# KiCad board for_real_486_2.kicad_pcb (continued)
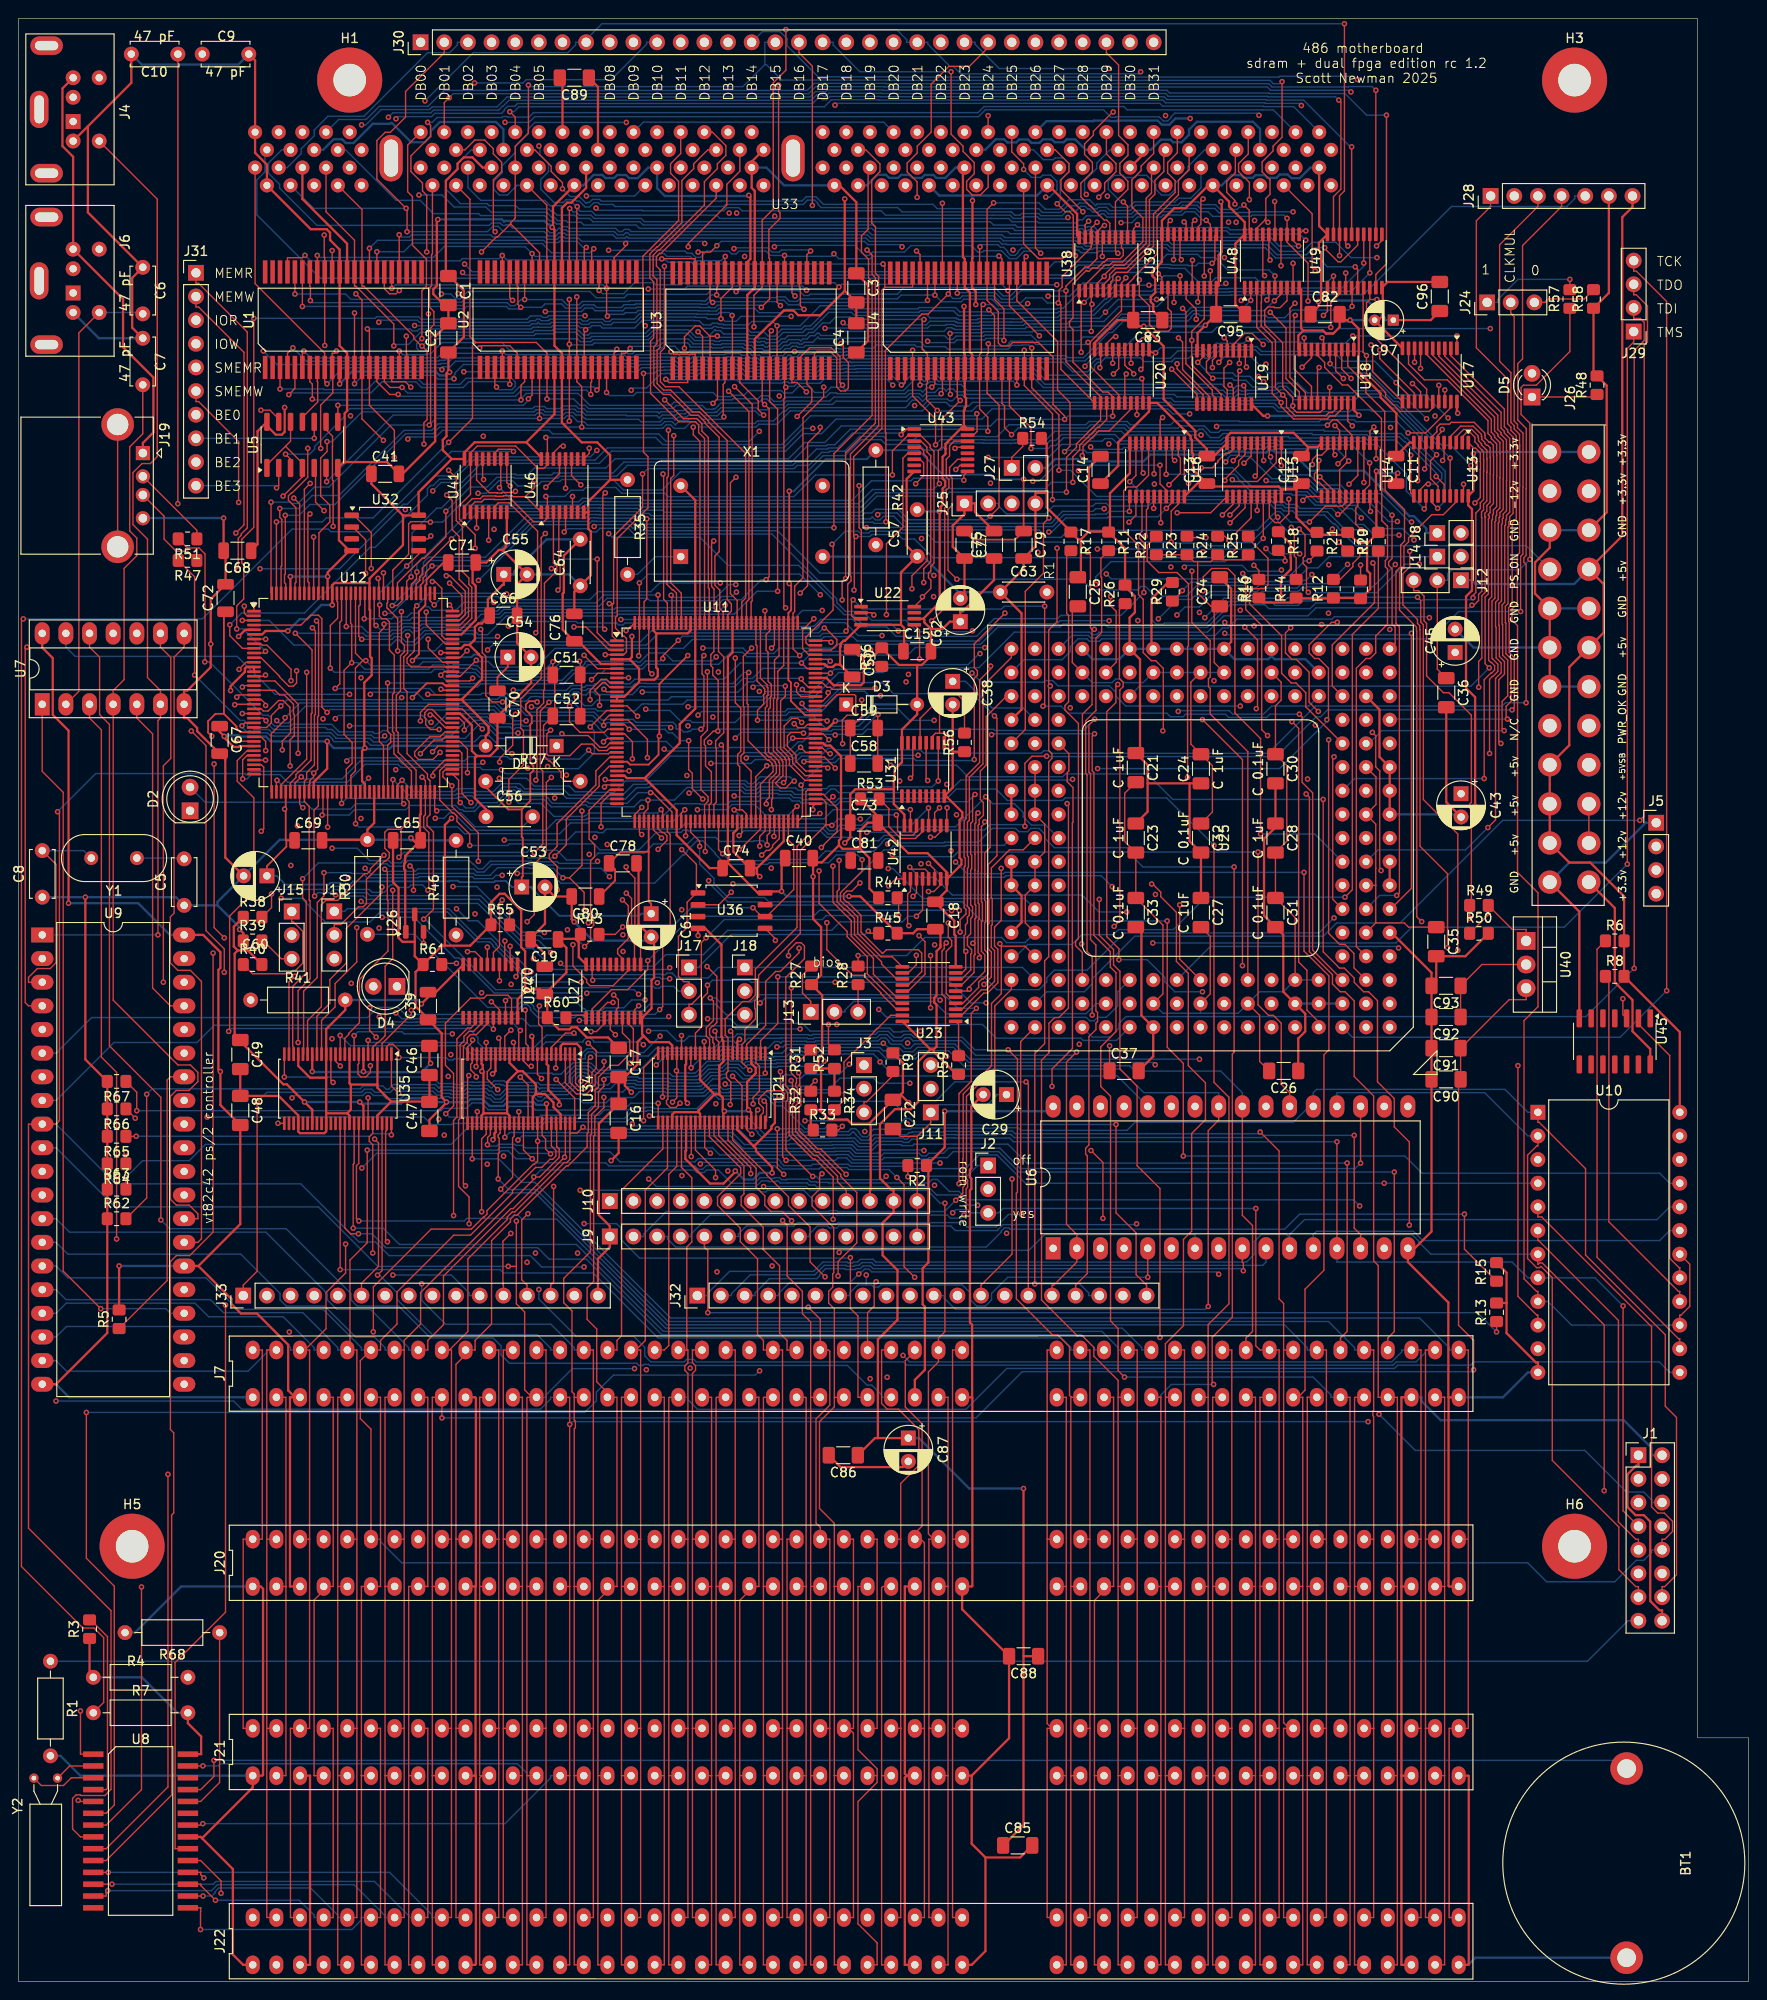
[diagram p0: board, top side]
## Nets (continued)
DB26: J30.27 U4.13 U12.117 U20.16 U33.71 U38.7
DB27: J30.28 U4.14 U12.116 U20.15 U33.72 U38.8
DB28: J30.29 U4.31 U12.115 U20.14 U33.74 U38.13
DB29: J30.30 U4.32 U12.114 U20.13 U33.75 U38.14
DB30: J30.31 U4.35 U12.113 U20.12 U33.76 U38.17
DB31: J30.32 U4.36 U12.112 U20.11 U33.77 U38.18
DB32: U33.86 U49.2
DB33: U33.87 U49.5
DB34: U33.88 U49.6
DB35: U33.89 U49.9
DB36: U33.91 U49.12
DB37: U33.92 U49.15
DB38: U33.93 U49.16
DB39: U33.94 U49.19
DB40: U33.95 U48.2
DB41: U33.97 U48.5
DB42: U33.98 U48.6
DB43: U33.99 U48.9
DB44: U33.100 U48.12
DB45: U33.101 U48.15
DB46: U33.103 U48.16
DB47: U33.104 U48.19
DB48: U33.139 U39.2
DB49: U33.140 U39.5
DB50: U33.141 U39.6
DB51: U33.142 U39.9
DB52: U33.144 U39.12
DB53: U33.149 U39.15
DB54: U33.150 U39.16
DB55: U33.151 U39.19
DB56: U33.153 U38.2
DB57: U33.154 U38.5
DB58: U33.155 U38.6
DB59: U33.156 U38.9
DB60: U33.158 U38.12
DB61: U33.159 U38.15
DB62: U33.160 U38.16
DB63: U33.161 U38.19
DQMB0: U12.82 U33.28
DQMB1: U12.83 U33.29
DQMB2: U12.84 U33.46
DQMB3: U12.85 U33.47
DQMB_HIGH: U12.87 U33.112 U33.113 U33.130 U33.131
dram0_en: U11.38 U12.95 U33.128
dram_A00: U11.119 U33.33
dram_A01: U11.120 U33.117
dram_A02: U11.121 U33.34
dram_A03: U11.122 U33.118
dram_A04: U11.124 U33.35
dram_A05: U11.125 U33.119
dram_A06: U11.128 U33.36
dram_A07: U11.129 U33.120
dram_A08: U11.130 U33.37
dram_A09: U11.134 U33.121
dram_A10: U11.135 U33.38
dram_A11: U11.136 U33.123
dram_A12: U11.137 U33.126
dram_A13: U11.138
DRQ0: J7.71 J20.71 J21.71 J22.71
DRQ1: J7.18 J20.18 J21.18 J22.18 U46.12
DRQ2: J7.6 J20.6 J21.6 J22.6 U46.13
DRQ3: J7.16 J20.16 J21.16 J22.16 U46.14
DRQ5: J7.73 J20.73 J21.73 J22.73 U46.4
DRQ6: J7.75 J20.75 J21.75 J22.75 U46.5
DRQ7: J7.77 J20.77 J21.77 J22.77 U46.6
EADS: R20.2 U25.B17
FLUSH: J10.5 U25.C15
FPGA_ADS: U7.13 U11.114 U12.74 U23.11
FPGA_BE0: U11.115 U23.18
FPGA_BE1: U11.116 U23.17
FPGA_BE2: U11.117 U23.16
FPGA_BE3: U11.118 U23.15
FPGA_CH_RDY: U12.8 U27.13
FPGA_CLOCK: U11.93 U12.130 U22.5
FPGA_D/C: U11.112 U12.63 U23.13
FPGA_IOCS16: U12.1 U27.11
FPGA_IOR: J31.3 U11.25 U24.4
FPGA_IOW: J31.4 U11.26 U24.5
FPGA_M/IO: U11.113 U12.64 U23.12
FPGA_MEMCS16: U12.2 U27.12
FPGA_MEMR: J31.1 U11.31 U24.2
FPGA_MEMW: J31.2 U11.32 U24.3
FPGA_NOWS: U12.7 U27.14
FPGA_RESET: J16.3 J18.3 R30.1 U26.2
FPGA_RESET_BUTTON: J25.3 R55.2 U11.52
FPGA_SMEMR: J31.5 U11.28 U24.6
FPGA_SMEMW: J31.6 U11.29 U24.7
FPGA_W/R: U11.110 U12.62 U23.14 U33.27
HITM: J10.1 U25.A12
HLDA: J10.11 U25.P15 U27.5
HOLD: R18.2 U25.E15
INC: J9.7 U25.A13
INT: J9.6 U12.81 U25.A16
INT_1: U9.35
INT_12: U9.36
INTA: U11.34 U12.80
INV: J9.8 U25.A10
IOCS16: J7.64 J20.64 J21.64 J22.64 U27.9
IOR: J7.14 J20.14 J21.14 J22.14 U8.22 U9.8 U10.22 U24.16
IOW: J7.13 J20.13 J21.13 J22.13 U8.27 U9.10 U10.23 U24.15
IRQ0: U10.10 U43.11
IRQ1: U43.12
IRQ1_EN: U10.11
IRQ2: J7.4 J20.4 J21.4 J22.4
IRQ3: J7.25 J20.25 J21.25 J22.25 U43.14
IRQ4: J7.24 J20.24 J21.24 J22.24 U43.3
IRQ5: J7.23 J20.23 J21.23 J22.23 U43.4
IRQ6: J7.22 J20.22 J21.22 J22.22 U43.5
IRQ7: J7.21 J20.21 J21.21 J22.21 U43.6
IRQ8: R7.1 U8.5 U41.11
IRQ9: U41.12
IRQ10: J7.65 J20.65 J21.65 J22.65 U41.13
IRQ11: J7.66 J20.66 J21.66 J22.66 U41.14
IRQ12: J7.67 J20.67 J21.67 J22.67 U41.3
IRQ13: U41.4
IRQ14: J7.69 J20.69 J21.69 J22.69 U41.5
IRQ15: J7.68 J20.68 J21.68 J22.68 U41.6
ISA_00: J1.7 J7.40 J20.40 J21.40 J22.40 U6.13 U8.11 U9.12 U10.8 U34.47
ISA_01: J1.8 J7.39 J20.39 J21.39 J22.39 U6.14 U8.12 U9.13 U10.7 U34.46
ISA_02: J1.9 J7.38 J20.38 J21.38 J22.38 U6.15 U8.13 U9.14 U10.6 U34.44
ISA_03: J1.10 J7.37 J20.37 J21.37 J22.37 U6.17 U8.15 U9.15 U10.5 U34.43
ISA_04: J1.11 J7.36 J20.36 J21.36 J22.36 U6.18 U8.16 U9.16 U10.4 U34.41
ISA_05: J1.12 J7.35 J20.35 J21.35 J22.35 U6.19 U8.17 U9.17 U10.3 U34.40
ISA_06: J1.13 J7.34 J20.34 J21.34 J22.34 U6.20 U8.18 U9.18 U10.2 U34.38
ISA_07: J1.14 J7.33 J20.33 J21.33 J22.33 U6.21 U8.19 U9.19 U10.1 U34.37
ISA_08: J7.91 J20.91 J21.91 J22.91 U34.36
ISA_09: J7.92 J20.92 J21.92 J22.92 U34.35
ISA_10: J7.93 J20.93 J21.93 J22.93 U34.33
ISA_11: J7.94 J20.94 J21.94 J22.94 U34.32
ISA_12: J7.95 J20.95 J21.95 J22.95 U34.30
ISA_13: J7.96 J20.96 J21.96 J22.96 U34.29
ISA_14: J7.97 J20.97 J21.97 J22.97 U34.27
ISA_15: J7.98 J20.98 J21.98 J22.98 U34.26
ISA_A00: J7.62 J20.62 J21.62 J22.62 U21.47
ISA_A01: J7.61 J20.61 J21.61 J22.61 U21.46
ISA_A02: J7.60 J20.60 J21.60 J22.60 U21.44
ISA_A03: J7.59 J20.59 J21.59 J22.59 U21.43
ISA_A04: J7.58 J20.58 J21.58 J22.58 U21.41
ISA_A05: J7.57 J20.57 J21.57 J22.57 U21.40
ISA_A06: J7.56 J20.56 J21.56 J22.56 U21.38
ISA_A07: J7.55 J20.55 J21.55 J22.55 U21.37
ISA_A08: J7.54 J20.54 J21.54 J22.54 U21.36
ISA_A09: J7.53 J20.53 J21.53 J22.53 U21.35
ISA_A10: J7.52 J20.52 J21.52 J22.52 U21.33
ISA_A11: J7.51 J20.51 J21.51 J22.51 U21.32
ISA_A12: J7.50 J20.50 J21.50 J22.50 U21.30
ISA_A13: J7.49 J20.49 J21.49 J22.49 U21.29
ISA_A14: J7.48 J20.48 J21.48 J22.48 U21.27
ISA_A15: J7.47 J20.47 J21.47 J22.47 U21.26
ISA_A16: J7.46 J20.46 J21.46 J22.46 U35.47
ISA_A17: J7.45 J20.45 J21.45 J22.45 U35.46
ISA_A18: J7.44 J20.44 J21.44 J22.44 U35.44
ISA_A19: J7.43 J20.43 J21.43 J22.43 U35.43
ISA_A20: J7.85 J20.85 J21.85 J22.85 U35.41
ISA_A21: J7.84 J20.84 J21.84 J22.84 U35.40
ISA_A22: J7.83 J20.83 J21.83 J22.83 U35.38
ISA_A23: J7.82 J20.82 J21.82 J22.82 U35.37
ISA_CLK: J7.20 J20.20 J21.20 J22.20 U11.141
ISA_dir: U12.12 U34.1 U34.24
ISA_High_en: U12.16 U34.25
ISA_Low_en: U12.15 U34.48
ISA_WAIT: U11.43 U12.48
isabus_en: J33.14 U11.33 U12.47
KBD_A20: J3.2 U9.22
kbd_clk: C9.2 J4.5 U7.6 U9.1
kbd_data: C10.2 J4.1 U7.8 U9.27
kbd_en: U9.6 U11.44
KEN: J10.6 U25.F15
lcd_en: J1.6 U11.7
LOCK: J10.10 U25.N15 U27.4
M/IO: J33.3 U23.8 U25.N16
MASTER16: J7.79 J20.79 J21.79 J22.79 U46.11
MCLK0: J28.1 U11.60
MCLK1: J28.2
MCLK2: J28.3 U10.9 U10.15 U10.18
MEMCS16: J7.63 J20.63 J21.63 J22.63 U27.8
MEMR: J7.89 J20.89 J21.89 J22.89 U1.37 U2.37 U3.37 U4.37 U6.24 U24.18
MEMW: J2.3 J7.90 J20.90 J21.90 J22.90 U1.15 U2.15 U3.15 U4.15 U24.17
ms_clk: C6.2 J6.5 U7.2 U9.39
ms_data: C7.2 J6.1 U7.4 U9.28
NOWS: J7.8 J20.8 J21.8 J22.8 U27.6
P14: U9.31
P15: U9.32
P16: U9.33
P21: U9.21
PCD: J10.3 U25.J17
PCHK: J10.4 U25.Q17
PIC0_en: U11.45 U12.52
PIC1_en: U11.47 U12.55
PIT_en: U10.21 U11.49
PLOCK: U25.Q16
PWT: J10.9 U25.L15
RDY: J33.13 U11.22 U25.F16
REFRESH: J7.19 J20.19 J21.19 J22.19 U10.13 U11.64 U12.129
RESET: U7.11 U9.4 U11.39 U12.73 U31.10 U42.10
rom_en: J33.15 U6.22 U11.55
rtc_en: U8.20 U11.48
S1: U12.10 U33.30
S2: U12.9 U33.45
SA0: U12.91 U33.165
SA1: U12.90 U33.166
SA2: U12.88 U33.167
SBHE: J7.81 J20.81 J21.81 J22.81
SCL: J28.4 U11.63
SDA: J28.5 U11.62
SDRAM_HIGH_BUS: U11.56 U12.11
SDRAM_HWORD: U12.37 U38.1 U39.1 U48.1 U49.1
SDRAM_LATCH: U12.38 U38.11 U39.11 U48.11 U49.11
SDRAM_SCL: U12.97 U33.83
SDRAM_SDA: U12.96 U33.82
SHIFT_CLK_EN: U12.79 U41.15 U43.15 U46.15
SHIFT_EN: U41.1 U43.1 U46.1
SMEMR: J7.12 J20.12 J21.12 J22.12 U24.14
SMEMW: J7.11 J20.11 J21.11 J22.11 U24.13
SMI: U25.B10
SMIACT: J10.2 U25.C12
speaker_en: U45.1
SPI_SS: J15.2 J17.2 U11.71 U12.71 U32.1 U36.1
sram_en: J33.9 U5.1 U5.4 U5.9 U5.12 U11.8
STPCLK: J9.10 R21.2 U25.G15
TC: J7.27 J20.27 J21.27 J22.27 U46.3
TE0: J33.5 U11.1 U17.19
TE1: J33.6 U11.2 U18.19
TE2: J33.7 U11.3 U19.19
TE3: J33.8 U11.4 U20.19
UNUSED0: U11.139 U12.61
UNUSED1: U12.60
UNUSED2: U12.56
UP: J9.9 U25.C11
USBD+: R47.2 U11.23
USBD-: R51.2 U11.24
W/R: J33.1 U17.1 U18.1 U19.1 U20.1 U23.6 U25.N17
WTWB: J13.2 U25.B13
x00: U11.18 U12.34 U34.2
x01: U11.17 U12.33 U34.3
x02: U11.16 U12.32 U34.5
x03: U11.15 U12.31 U34.6
x04: U11.12 U12.29 U34.8
x05: U11.11 U12.28 U34.9
x06: U11.10 U12.26 U34.11
x07: U11.9 U12.25 U34.12
x08: U12.24 U34.13
x09: U12.23 U34.14
x10: U12.22 U34.16
x11: U12.21 U34.17
x12: U12.20 U34.19
x13: U12.19 U34.20
x14: U12.18 U34.22
x15: U12.17 U34.23
~{CAS}: U12.42 U33.115
~{RAS}: U12.43 U33.111
~{RESET}: J16.1 J18.1 U7.10 U25.C16
Net-(BT1-+): BT1.1 U8.25
Net-(D1-K): D1.1 U12.108
Net-(D2-K): D2.1 R41.1
Net-(D3-K): D3.1 U11.108
Net-(D4-K): D4.1 R46.1
Net-(D5-A): D5.2 J26.8
Net-(D5-K): D5.1 R48.1
Net-(J1-Pin_15): J1.15 R1.1
Net-(J2-Pin_1): J2.1 R2.2
Net-(J2-Pin_2): J2.2 U6.31
Net-(J3-Pin_3): J3.3 R9.2
Net-(J5-Pin_4): J5.4 U45.3
Net-(J8-Pin_2): J8.2 U25.J1
Net-(J9-Pin_3): J9.3 R15.1
Net-(J9-Pin_5): J9.5 R13.1
Net-(J11-Pin_2): J11.2 U25.S4
Net-(J13-Pin_1): J13.1 R27.2
Net-(J13-Pin_3): J13.3 R28.1
Net-(J14-Pin_1): J14.1 R29.1
Net-(J14-Pin_2): J14.2 U25.C10
Net-(J15-Pin_1): J15.1 R40.1
Net-(J15-Pin_3): J15.3 R39.2
Net-(J17-Pin_1): J17.1 R45.1
Net-(J17-Pin_3): J17.3 R44.2
Net-(J19-D+): J19.3 R47.1
Net-(J19-D-): J19.2 R51.1
Net-(J20-IO): J7.32 J20.32 J21.32 J22.32
Net-(J20-LA17): J7.88 J20.88 J21.88 J22.88
Net-(J20-LA18): J7.87 J20.87 J21.87 J22.87
Net-(J20-LA19): J7.86 J20.86 J21.86 J22.86
Net-(J20-OSC): J7.30 J20.30 J21.30 J22.30
Net-(J20-RESET): J7.2 J20.2 J21.2 J22.2
Net-(J24-Pin_1): J24.1 R57.2
Net-(J24-Pin_2): J24.2 U25.R17
Net-(J24-Pin_3): J24.3 R58.2
Net-(J25-Pin_2): J25.2 J26.16
Net-(J27-Pin_1): J27.1 R54.1
Net-(J29-Pin_1): J29.1 U25.B14
Net-(J29-Pin_2): J29.2 U25.A14
Net-(J29-Pin_3): J29.3 U25.B16
Net-(J29-Pin_4): J29.4 U25.A3
Net-(U1-~{CE}): U1.8 U5.11
Net-(U2-~{CE}): U2.8 U5.8
Net-(U3-~{CE}): U3.8 U5.6
Net-(U4-~{CE}): U4.8 U5.3
Net-(U8-Vout): R4.2 U8.1
Net-(U8-X1): U8.2 Y2.2
Net-(U8-X2): U8.3 Y2.1
Net-(U8-~{KS}): R68.1 U8.24
Net-(U8-~{RST}): R3.2 U8.4
Net-(U9-KBCO): U7.5 U9.37
Net-(U9-KBDO): U7.9 U9.38
Net-(U9-P22/MSDO): U7.3 U9.23
Net-(U9-P23/MSCO): U7.1 U9.24
Net-(U9-xtal_1): C5.2 U9.2 Y1.1
Net-(U9-xtal_2): C8.2 U9.3 Y1.2
Net-(U9-~{KBD-INH}): R5.1 U9.34
Net-(U10-G1): R6.1 U10.14
Net-(U10-G2): R8.1 U10.16
Net-(U10-OUT2): U10.17 U45.2
Net-(U11E-GNDPLL0): C58.2 C59.2 U11.53 U11.127
Net-(U11E-IOB_105_SDO): U11.67 U36.5
Net-(U11E-IOB_106_SDI): U11.68 U36.2
Net-(U11E-IOB_107_SCK): R43.2 U11.70 U36.6
Net-(U11E-VCC_SPI): C63.2 U11.72
Net-(U11E-VCCPLL0): C58.1 C59.1 R42.2 U11.54 U11.126
Net-(U12E-GNDPLL0): C51.2 C52.2 U12.53 U12.127
Net-(U12E-IOB_105_SDO): U12.67 U32.5
Net-(U12E-IOB_106_SDI): U12.68 U32.2
Net-(U12E-IOB_107_SCK): R38.2 U12.70 U32.6
Net-(U12E-VCC_SPI): C56.2 U12.72
Net-(U12E-VCCPLL0): C51.1 C52.1 R37.2 U12.54 U12.126
Net-(U13-A->B): R10.2 U13.1
Net-(U14-A->B): R12.2 U14.1
Net-(U15-A->B): R14.2 U15.1
Net-(U16-A->B): R16.2 U16.1
Net-(U21-1DIR): R62.2 U21.1
Net-(U21-1~{OE}): R66.1 U21.48
Net-(U21-2DIR): R63.2 U21.24
Net-(U21-2~{OE}): R67.1 U21.25
Net-(U22-1G): R36.1 U22.2
Net-(U22-CLKIN): U22.1 X1.8
Net-(U23-A->B): R59.2 U23.1
Net-(U23-CE): R34.2 U23.19
Net-(U24-A->B): R61.2 U24.1
Net-(U24-CE): R33.2 U24.19
Net-(U25-DP0): R25.2 U25.N3
Net-(U25-DP1): R24.2 U25.F1
Net-(U25-DP2): R23.2 U25.H3
Net-(U25-DP3): R22.2 U25.A5
Net-(U25-FERR): R17.2 U25.C14
Net-(U25-IGNNE): R11.2 U25.A15
Net-(U25-NMI): R26.1 U25.B15
Net-(U27-A->B): R60.2 U27.1
Net-(U27-CE): R52.2 U27.19
Net-(U31-SER): U31.14 U42.9
Net-(U31-~{OE}): R56.2 U31.13
Net-(U35-1DIR): R32.2 U35.1
Net-(U35-1~{OE}): R65.1 U35.48
Net-(U35-2DIR): R31.2 U35.24
Net-(U35-2~{OE}): R64.1 U35.25
Net-(U40-ADJ): R49.2 R50.1 U40.1
Net-(U41-DS): U41.10 U43.9
Net-(U42-~{OE}): R53.2 U42.13
Net-(U43-DS): U43.10 U46.9
Net-(X1-Tri-State): R35.2 X1.1

Pads without a net: C81 1 2; H1 1; H3 1; H5 1; H6 1; J4 2 6 7; J5 2 3; J6 2 6 7; J7 5 7; J9 11 12 13; J11 3; J19 5; J20 5 7; J21 5 7; J22 5 7; J26 9 20; U1 1 2 21 22 23 24 25 42 43 44; U2 1 2 21 22 23 24 25 42 43 44; U3 1 2 21 22 23 24 25 42 43 44; U4 1 2 21 22 23 24 25 42 43 44; U6 1 30; U8 23 26; U9 5 7 11 25 29 30; U11 35 36 50 51 58 77 109 133; U12 35 36 50 51 58 77 109 133; U22 7; U24 8 9 11 12; U25 C13; U27 15 16 17 18; U31 1 2 3 4 5 6 7 9 15; U32 3 7; U33 21 22 24 25 31 44 48 50 51 52 53 61 62 63 80 81 105 106 108 109 114 125 129 132 134 135 136 137 145 146 147 163 164; U35 26 27 29 30 32 33 35 36; U36 3 7; U41 7; U43 7; U45 4 5 6 8 9 10 11 12 13; U46 7 10

## Via types
v1: diameter 0.6, hole 0.3, Top to Bottom, 1564 vias

## Routing (per net, layer and track width the routed paths; a pad name or vN(x,y) marks a point on that pad's centre or on a via; arc(x,y) is an arc through that point)
+1V2: length 287.6
  Top w0.2: v1(42.3,141.87) 43,142.57 43,147.14 43.69,147.83 U12.111 43.69,149.94 43.82,150.07 43.82,150.58 45.64,152.4 C71.1 ; C80.1 64.06,118.23 64.06,119.44 C78.1 64.67,121.33 67.68,121.33 ; R37.1 50.16,128.31 52.6,125.87 54.04,125.87 ; v1(55.69,137.43) 55.62,137.5 54.83,137.5 54.48,137.15 54.48,136.55 55.12,135.91 55.12,135.15 54.96,134.99 54.96,130.89 55.29,130.56 55.29,130.06 54.96,129.72 54.96,126.79 54.04,125.87 ; v1(107.95,161.34) C79.1 107.03,154.86 102.52,154.86 C77.1 ; 28.76,122.55 28.69,122.62 28.69,125.91 ; 28.76,122.55 C69.1 ; 28.76,122.55 28.76,121.89 26.67,119.8 C60.1 ; 22.05,136.15 22.05,146.94 C72.1 ; 22.05,136.15 21.14,136.15 20.35,135.35 20.35,134.14 v1(20.75,133.74) ; 22.05,136.15 23.39,134.81 23.39,134.61 23.83,134.18 U12.27 ; C53.1 54.04,118.6 54.15,118.71 54.15,122.81 54.04,122.92 54.04,125.87 ; 67.68,121.33 U11.40 ; 67.68,121.33 67.68,116 67.94,115.74 C61.1 ; 28.69,125.91 v1(28.57,125.91) ; 28.69,125.91 U12.40 ; C70.1 51.44,140.08 52.54,141.19 C54.1 ; v1(71.88,142.41) 68.83,139.36 v1(68.83,133.75) 68.74,133.67 68.74,131.76 67.67,130.7 65.69,130.7 65.38,131 U11.27 ; U12.92 45.82,139.18 45.58,139.42 43.83,139.42 v1(42.3,137.89) ; v1(82.77,160.06) v1(82.77,150.14) 82.98,149.93 82.98,147.29 82.68,146.99 U11.111 82.68,139.78 82.96,139.51 82.96,137.53 84.48,136 U11.92
  In1.Cu w0.2: 55.79,137.52 v1(55.69,137.43) ; 55.79,137.52 52.54,140.76 C54.1 ; 55.79,137.52 59.55,133.75 v1(68.83,133.75) ; v1(82.77,150.14) 82.77,148.97 80.41,146.61 75.96,146.61 71.88,142.53 v1(71.88,142.41) ; v1(20.75,133.74) v1(28.57,125.91)
  In2.Cu w0.2: v1(42.3,141.87) v1(42.3,137.89)
  Bottom w0.2: v1(82.77,160.06) 83.26,160.06 86.7,163.5 91.11,163.5 R42.1 96.66,164.46 99.34,161.79 101.22,161.79 101.28,161.84 104.33,161.84 104.83,161.34 v1(107.95,161.34) ; v1(42.3,141.87) 42.55,142.12 46.15,142.12 46.27,142.24 48.64,142.24 48.91,142.51 49.4,142.51 49.67,142.24 C54.1 ; C60.1 27.72,118.74 28.66,117.81 33.31,117.81 33.5,118 34.58,118 34.77,117.81 35.59,117.81 35.93,118.15 46.24,118.15 46.31,118.22 47.19,118.22 47.34,118.07 51.09,118.07 51.2,118.19 52.34,118.19 52.99,117.54 C53.1 55.09,117.54 55.09,117.43 58.06,114.46 66.66,114.46 66.89,114.68 C61.1
+3.3V: length 1399.8
  Top w0.25: 67.26,129.24 65.34,129.24 65.07,129.5 U11.30 ; 67.26,129.24 71.01,133 71.01,135.04 72.68,136.71 U11.131 72.68,159.09 X1.14 ; 67.26,129.24 70.68,125.82 U11.46 70.68,123.12 74.22,119.58 C74.1 76.18,120.14 76.18,120.31 ; U27.20 60.17,110.02 60.17,111.61 59.83,111.95 ; R59.1 100.73,97.42 98.28,99.87 98.28,100.11 ; 96.52,141.39 97.01,141.39 98,142.38 C15.2 98,145.26 ; 96.52,141.39 94.55,141.39 R36.2 91.88,142.41 90.78,142.41 ; 96.52,141.39 D3.2 96.52,136.08 94.88,134.45 U31.16 94.88,130.95 94.1,130.16 94.1,129.28 94.01,129.19 94.01,128.05 ; U21.42 77.2,91.45 78.97,89.68 ; C75.1 104.77,150.52 101.44,147.18 101.15,147.18 C62.1 100.03,146.05 99.24,145.26 98,145.26 ; v1(143.97,168.21) 143.42,168.77 U18.20 ; U33.59 110.63,192.91 113.69,189.85 113.69,187.55 U38.20 ; U11.123 76.68,142.73 76.18,142.23 U11.57 76.18,121.45 76.25,121.38 76.25,120.39 76.18,120.31 ; v1(28.92,145.05) 26.52,145.05 26.15,144.68 U12.6 ; 42.55,111.66 U26.3 ; 42.55,111.66 42.55,110.12 R61.1 ; 42.55,111.66 41.23,111.66 40.81,112.08 40.81,117.46 40.22,118.05 40.22,122.54 C65.1 ; R16.1 133.71,148.1 136.73,148.1 R14.1 137.28,148.54 141.17,148.54 R12.1 144.07,148.59 R10.1 145.17,149.55 145.17,151.22 144.84,151.55 144.84,154.5 ; U11.100 86.76,140 87.54,139.22 90.49,139.22 90.78,139.51 90.78,142.41 ; v1(88.74,122.28) 89.33,122.87 C73.1 89.33,127.51 89.87,128.05 94.01,128.05 ; U2.11 57.55,168.34 54.53,165.31 ; C97.1 151.68,178.44 C96.1 ; 144.84,154.5 143.9,154.5 R20.1 142.49,155.37 139.74,155.37 R21.1 138.88,155.64 137.26,157.26 137.26,160.27 ; 144.84,154.5 144.91,154.5 R19.2 145.84,155.85 145.84,159.45 U14.20 145.8,162.16 v1(145.85,162.21) ; U3.11 78.27,181.14 79.07,181.94 U3.33 79.07,192.31 78.74,192.64 U33.40 78.74,195.45 U33.124 ; 97.94,100.11 U23.20 ; 97.94,100.11 96.62,98.79 96.62,94.47 95.84,93.69 94.13,93.69 92.52,92.07 92.52,86.26 93.78,85 93.98,85 J10.13 93.98,82.64 92.8,81.47 92.8,77.99 94.4,76.4 94.4,71.05 92.3,68.95 92.3,58.36 ; 97.94,100.11 98.28,100.11 ; 37.69,150.2 37.69,147.35 37.75,147.29 37.75,142.3 37.92,142.12 37.92,140.29 37.12,139.49 37.12,132.54 v1(37.19,132.48) 36.89,132.18 36.89,128.91 37.19,128.62 U12.57 ; 37.69,150.2 33.92,150.2 33.69,149.97 U12.131 v1(33.69,147.84) ; 37.69,150.2 37.69,150.68 41.28,154.27 41.28,157.46 ; U12.30 23.73,132.68 23.63,132.59 23.09,132.59 22.09,133.58 v1(22.09,133.73) 21.59,134.23 C67.1 ; v1(50.95,90.41) 51.1,90.56 51.1,91.07 51.24,91.21 51.24,92.15 U34.31 ; 135.64,160.27 U15.20 ; 135.64,160.27 135.35,160.57 127.95,160.57 C13.1 127.12,161.4 ; 135.64,160.27 137.26,160.27 ; C14.1 118.12,162.79 118.12,165.31 121.42,168.62 U20.20 122.3,169.54 125.89,165.96 125.89,165.7 125.93,165.65 125.93,165.65 126.03,165.56 126.03,164.21 126.15,164.08 126.15,162.37 127.12,161.4 ; C83.1 121.88,179.41 121.88,180.12 121.61,180.39 121.61,180.91 122.09,181.4 122.09,182.87 121.79,183.16 121.79,183.68 122.8,184.69 U39.20 122.8,189.13 124.13,190.45 125.33,190.45 127.79,192.91 U33.73 130.02,191.16 130.02,190.64 131.69,188.97 U48.20 130.7,186.65 130.7,180.11 C95.1 ; R38.1 23.11,113.28 23.11,111.16 23.54,110.73 ; U24.20 53.6,105.49 54.66,106.55 ; v1(81.68,95.09) 81.23,94.64 81.23,92.21 80.86,91.84 80.86,91.58 78.97,89.68 ; D1.2 50.16,133.79 50.48,134.11 50.48,134.78 47.58,137.68 ; C85.1 107.94,16.79 107.94,34.92 ; 48.42,143.55 49.4,142.58 49.4,142.55 49.41,142.53 49.78,142.17 49.78,139.88 47.58,137.68 ; 48.42,143.55 47.9,143.55 47.53,143.18 U12.100 ; 48.42,143.55 49.01,144.14 49.01,145.48 49.37,145.85 49.76,145.85 C66.1 50.4,146.88 50.4,148.43 51.98,150 52.11,150 C55.1 ; C50.1 90.2,142.41 90.78,142.41 ; v1(148.13,162) 147.95,161.82 C11.2 ; v1(156.45,126.22) 156.45,137.94 155.47,138.92 155.47,148.76 156.11,149.39 156.11,158.14 155.71,158.53 155.71,159.56 156.26,160.1 156.26,162.2 156.62,162.56 156.62,163.08 156.26,163.44 v1(156.26,164.1) ; 94.01,128.05 94.01,126.46 95.14,125.32 U42.16 ; 97.17,146.36 98.93,148.12 98.93,157.87 v1(98.9,157.9) 98.9,157.92 99.06,158.07 99.06,158.41 99.24,158.59 99.24,160.33 99.53,160.61 99.53,161.13 99.24,161.42 99.24,163.75 99.56,164.06 99.56,164.62 99.56,164.62 99.56,165.15 101.54,167.12 ; 97.17,146.36 97.28,146.25 97.28,145.97 98,145.26 ; 97.17,146.36 U22.6 ; 78.97,89.68 79.21,89.45 79.21,89.17 80.94,87.44 v1(80.94,86.84) ; U35.42 37.04,94.05 v1(36.64,94.45) ; C4.1 91.24,176.23 91.24,182.2 C3.1 89.98,191.1 88.17,192.91 U33.41 ; U34.42 56.72,94.24 v1(56.7,94.26) ; v1(76.98,87.05) 76.98,86.96 75.72,85.7 74.26,85.7 71.62,88.34 71.62,89.18 71.7,89.26 U21.31 ; 41.28,157.46 42.95,157.46 U32.8 42.97,159.97 46.52,163.52 ; 41.28,157.46 37.89,160.84 37.89,161.92 ; 23.54,110.73 24.62,110.73 R40.2 ; 23.54,110.73 23.2,110.39 23.2,101.72 C49.1 23.81,100.98 28.44,96.35 28.81,96.35 v1(30.71,94.45) 31.54,93.62 U35.31 ; R61.1 45.48,111.25 45.78,111.25 ; R61.1 42.64,108.41 42.64,104.74 43.97,103.4 C39.1 45.44,101.83 45.44,94.96 v1(45.95,94.45) 45.95,94.38 44.13,92.55 C47.1 ; C20.1 56.01,106.55 54.66,106.55 ; C20.1 56.78,105.77 R60.1 58.03,102.26 59.17,102.26 59.39,102.48 59.95,102.48 61.03,101.39 63.32,101.39 C17.1 ; C20.1 58.84,108.37 58.84,111.02 C19.1 58.01,111.98 59.8,111.98 59.83,111.95 ; v1(102.81,180.11) 102.81,181.53 102.42,181.91 U4.33 102.42,185.06 102.46,185.09 v1(102.46,191.27) ; 59.83,111.95 R43.1 ; U19.20 133.69,168.15 v1(134.15,168.15) ; C68.1 25.66,154.36 25.66,166.5 U5.14 26.67,167.08 27.61,166.14 28.28,166.14 28.57,166.43 v1(28.57,169.06) ; 54.53,165.31 48.98,165.31 47.89,164.23 U41.16 46.52,163.52 ; 54.53,165.31 56.14,163.7 U46.16 ; v1(46.29,172.85) 46.21,172.93 46.16,172.93 ; C86.1 91.98,58.36 92.3,58.36 ; v1(46.5,124.93) 45.78,124.21 45.78,111.25 ; v1(154.58,168.43) 154.5,168.51 154.5,169.68 ; 46.16,172.93 C2.1 47.82,176.62 47.82,181.61 46.26,183.17 C1.1 45.89,183.45 45.89,193.4 47.15,194.66 47.15,195.25 47.82,195.92 48.75,195.92 49.85,194.82 U33.18 ; 46.16,172.93 45.96,172.73 45.96,165.97 45.56,165.57 45.56,164.47 46.52,163.52 ; 45.78,111.25 48.5,111.25 R55.1 50.73,115.89 51.66,116.82 52.2,116.82 53.99,115.03 53.99,111.07 54.41,110.65 54.41,106.81 54.66,106.55 ; 76.18,120.31 76.18,120.14 79.41,116.91 U36.8 80.35,117.07 v1(81.96,117.07) 81.96,120.26 C40.1 ; v1(101.55,179.9) 101.55,174.87 101.62,174.8 U4.11 101.62,170.21 101.77,170.07 101.77,169.18 101.62,169.03 101.62,168.82 101.54,168.73 101.54,167.12 ; 98.28,100.11 98.6,100.42 98.6,104.89 98.36,105.14 98.36,105.65 98.6,105.9 98.6,110.66 99.02,111.08 99.02,111.29 99.02,111.29 99.02,112.46 C18.2 96.51,113.01 96.08,112.58 R45.2 90.41,116.54 v1(89.2,116.54) ; U12.46 31.69,127.77 31.69,128.81 33.14,130.26 v1(33.14,133.19) ; 58.36,183.62 58.36,190.48 58.93,191.06 59.38,191.06 60.96,192.64 U33.26 ; 47.58,137.68 U12.89 ; 125.21,159.49 127.12,161.4 ; 107.94,34.92 C88.1 ; 107.94,34.92 v1(107.94,52.94) ; U33.84 139.7,188.53 U49.20 139.66,186.73 139.66,185.96 139.9,185.72 139.9,180.71 v1(139.62,180.43) 139.62,179.92 C82.1 ; v1(87.73,135.39) 86.85,134.5 U11.89 ; 137.26,160.27 137.26,160.34 C12.1 ; 101.54,167.12 U43.16 ; 92.3,58.36 C87.1 ; J26.12 171.45,115.29 171.45,107.31 173.36,105.41 173.36,102.05 175.26,100.15 U45.14 ; C64.2 58.56,153.14 58.56,149.18 58.44,149.05 58.44,145.19 C76.1 60.12,143.94 62.55,141.5 U11.6 ; U33.110 62.23,203.49 C89.1 ; U1.11 v1(34.48,171.58) ; 35.28,183.62 35.28,186.65 30.48,191.45 U33.6
  In1.Cu w0.25: v1(50.95,90.41) 51.84,91.3 53.74,91.3 v1(56.7,94.26) ; v1(125.85,200.09) 127,198.94 U33.157 ; U33.49 96.84,192.91 95.7,194.05 94.8,194.05 94.4,193.65 93.56,193.65 93.2,194.01 92.22,194.01 91.94,193.73 90.94,193.73 90.66,194.01 89.68,194.01 88.58,192.91 U33.41 ; v1(34.48,171.58) 31.95,169.06 v1(28.57,169.06) ; J26.12 166.56,120.17 162.5,120.17 v1(156.45,126.22) 156.45,127.19 156.07,127.57 C43.1 ; U33.102 53.02,196.72 54.16,195.59 55.06,195.59 55.46,195.98 56.3,195.98 56.66,195.62 57.64,195.62 57.92,195.91 58.92,195.91 59.37,195.45 60.96,195.45 ; v1(46.5,124.93) 46.5,125.02 45.16,126.35 44.91,126.35 41.13,130.13 41.13,130.41 40.77,130.78 38.89,130.78 v1(37.19,132.48) ; 60.96,195.45 U33.26 ; 60.96,195.45 U33.110 ; v1(148.13,162) 150.5,162 150.72,161.78 151.41,161.78 151.91,162.28 154.43,162.28 v1(156.26,164.1) ; X1.14 69.92,160.65 64.14,154.87 60.35,154.87 C64.2
  In2.Cu w0.25: v1(143.97,168.21) 144.94,167.24 144.94,166.69 146.42,165.22 146.42,163.82 146.44,163.8 146.44,162.8 v1(145.85,162.21) ; U33.157 127.95,198.63 129.37,197.21 129.37,196.24 128.27,195.14 U33.73 ; U33.90 31.75,196.09 U33.6 ; U33.49 97.79,195.18 96.52,196.45 U33.133 ; U33.143 109.22,196.45 110.49,195.18 U33.59 ; v1(81.68,95.09) 81.21,95.57 81.21,99.73 80.82,100.11 80.82,100.63 82.17,101.98 82.17,108.16 81.96,108.37 v1(81.96,117.07) ; C97.1 147.66,177.51 154.58,170.59 v1(154.58,168.43) 156.26,166.75 v1(156.26,164.1) ; v1(102.81,180.11) 101.76,180.11 v1(101.55,179.9) ; U33.18 52.07,196.09 U33.102 ; U33.84 140.97,196.09 U33.168 ; v1(89.2,116.54) 89.2,121.83 v1(88.74,122.28) ; J26.2 J26.1
  Bottom w0.25: 102.46,191.82 v1(102.46,191.27) ; 102.46,191.82 98.89,191.82 U33.49 ; 102.46,191.82 109.39,191.82 U33.59 ; v1(134.15,168.15) 143.91,168.15 v1(143.97,168.21) ; C55.1 53.24,151.13 53.24,151.41 56.71,154.89 60.31,154.89 C64.2 ; C97.1 146.73,178.44 146.73,178.7 144.89,180.54 139.73,180.54 v1(139.62,180.43) ; 45.95,94.45 44.59,94.45 44.19,94.85 41.65,94.85 41.08,94.28 36.81,94.28 v1(36.64,94.45) v1(30.71,94.45) ; 45.95,94.45 v1(45.95,94.45) ; 45.95,94.45 45.97,94.43 48.2,94.43 48.53,94.76 49.86,94.76 50.6,94.02 52.07,94.02 52.49,94.45 55.33,94.45 55.62,94.15 56.59,94.15 v1(56.7,94.26) ; v1(33.69,147.84) 32.51,147.84 30.98,146.31 30.18,146.31 v1(28.92,145.05) ; U33.73 129.22,192.91 130.31,194 131.31,194 131.59,193.72 132.57,193.72 132.85,194 133.85,194 134.13,193.72 135.11,193.72 135.47,194.08 136.31,194.08 136.71,193.68 137.61,193.68 138.75,194.82 U33.84 ; v1(148.13,162) 146.06,162 v1(145.85,162.21) ; D3.2 92,137.16 90.23,135.39 v1(87.73,135.39) ; v1(125.85,200.09) 124.26,200.09 123.6,199.43 122.79,199.43 122.35,199.87 118.03,199.87 117.98,199.82 117.17,199.82 117.12,199.87 115.47,199.87 115.41,199.8 110.4,199.8 U33.143 ; v1(156.26,164.1) 156.43,164.27 J26.13 J26.1 ; C87.1 96.69,58.36 102.11,52.94 v1(107.94,52.94) ; D1.2 40.15,132.71 39.8,132.37 37.3,132.37 v1(37.19,132.48) 33.85,132.48 v1(33.14,133.19) 27.08,133.19 26.56,133.71 23.77,133.71 23.63,133.84 22.2,133.84 v1(22.09,133.73) ; v1(89.2,116.54) 82.49,116.54 v1(81.96,117.07) ; U33.102 52.07,198.93 51.29,199.72 45.24,199.72 44.27,198.74 44.27,198.18 43.63,197.54 42.17,197.54 40.1,199.61 39.99,199.61 39.91,199.53 38.05,199.53 35.98,197.46 35.14,197.46 34.74,197.86 33.84,197.86 32.7,196.72 U33.90 ; v1(46.29,172.85) 45.94,172.5 45.21,172.5 44.79,172.91 35.81,172.91 v1(34.48,171.58) ; v1(98.9,157.9) 96.7,157.9 C57.2 ; U33.40 80.31,194.82 82.22,192.91 U33.41 ; v1(76.98,87.05) 77.9,86.13 78.9,86.13 79.27,86.5 79.6,86.84 v1(80.94,86.84)
+5V: length 802.8
  Top w0.25: J20.3 29.15,42.42 29.15,62.74 29.69,62.74 ; J4.4 4.71,203.32 4.71,197.13 5.85,195.98 J6.4 11.22,180.69 11.22,175.53 14.48,172.27 14.48,166.37 13.35,165.24 J19.1 ; J20.29 95.19,42.42 95.19,22.31 95.41,22.1 ; v1(77.44,101.19) 77.2,100.95 U21.7 ; J22.3 31.3,1.78 31.3,22.1 J21.3 ; J22.78 148.53,1.78 148.53,22.1 ; J22.29 95.19,1.78 95.19,21.88 95.41,22.1 ; C16.2 64.45,88.97 v1(63.64,88.16) ; U7.14 2.53,143.26 3.67,142.13 3.67,136.04 5.36,134.35 v1(5.36,115.81) ; 29.69,62.74 28.96,63.47 28.96,68.38 25.61,71.73 23.89,71.73 22.85,72.77 22.85,73.3 19.31,76.84 ; 29.69,62.74 J7.3 ; C46.2 44.13,98.73 v1(44.25,98.61) ; R3.1 7.62,33.06 R4.1 ; 95.41,22.1 J21.29 ; J7.78 148.53,62.74 148.53,42.42 ; U9.26 19.31,76.84 ; 19.31,76.84 23.81,81.34 C48.2 21.67,94.12 v1(21.67,97.73) 21.46,97.94 21.46,108.65 21.67,108.86 21.67,110.55 19.82,112.4 U9.40 ; U21.18 71.7,98.51 71.61,98.42 71.61,94.64 71.84,94.4 v1(71.84,94.32) ; U34.7 56.72,98.52 56.9,98.35 56.9,95.74 58.08,94.56 v1(58.08,94.16) ; U10.24 178.43,101.97 R8.2 R6.2 172.45,116.53 168.81,120.17 166.56,120.17 J26.23 J26.22 J26.21 166.56,132.77 166.56,141.17 J26.6 170.26,144.87 170.26,150.08 J26.4 172.25,155.26 172.25,189.49 173.36,190.59 J28.7 ; 148.53,42.42 148.53,22.1 ; 148.53,42.42 J20.78 ; U34.18 51.22,97.78 v1(50.91,97.47) ; J21.78 148.53,22.1 ; J7.29 96.27,64.6 97.34,65.68 97.34,72.48 97.11,72.72 97.11,76.59 97.72,77.21 97.72,87.43 R2.1 99.47,89.58 v1(99.47,93.46) ; R5.2 v1(10.8,76.84) ; U35.18 v1(31.54,97.72) ; R7.2 18.18,27.73 19.61,26.3 19.61,24.41 U8.28 ; U35.7 v1(37.04,97.73)